# Altium PCB PreRegulator.PcbDoc (part 2 of 2)
Units mm, origin at the board's own origin, x right, y up, seen from the top; angles counter-clockwise.
Board outline 44 x 85 mm, 6 copper layers (L1, L2, L3, L4, L5, L6), stack 2.138 mm thick; 110 components, 62 nets, 301 pads, 342 vias.
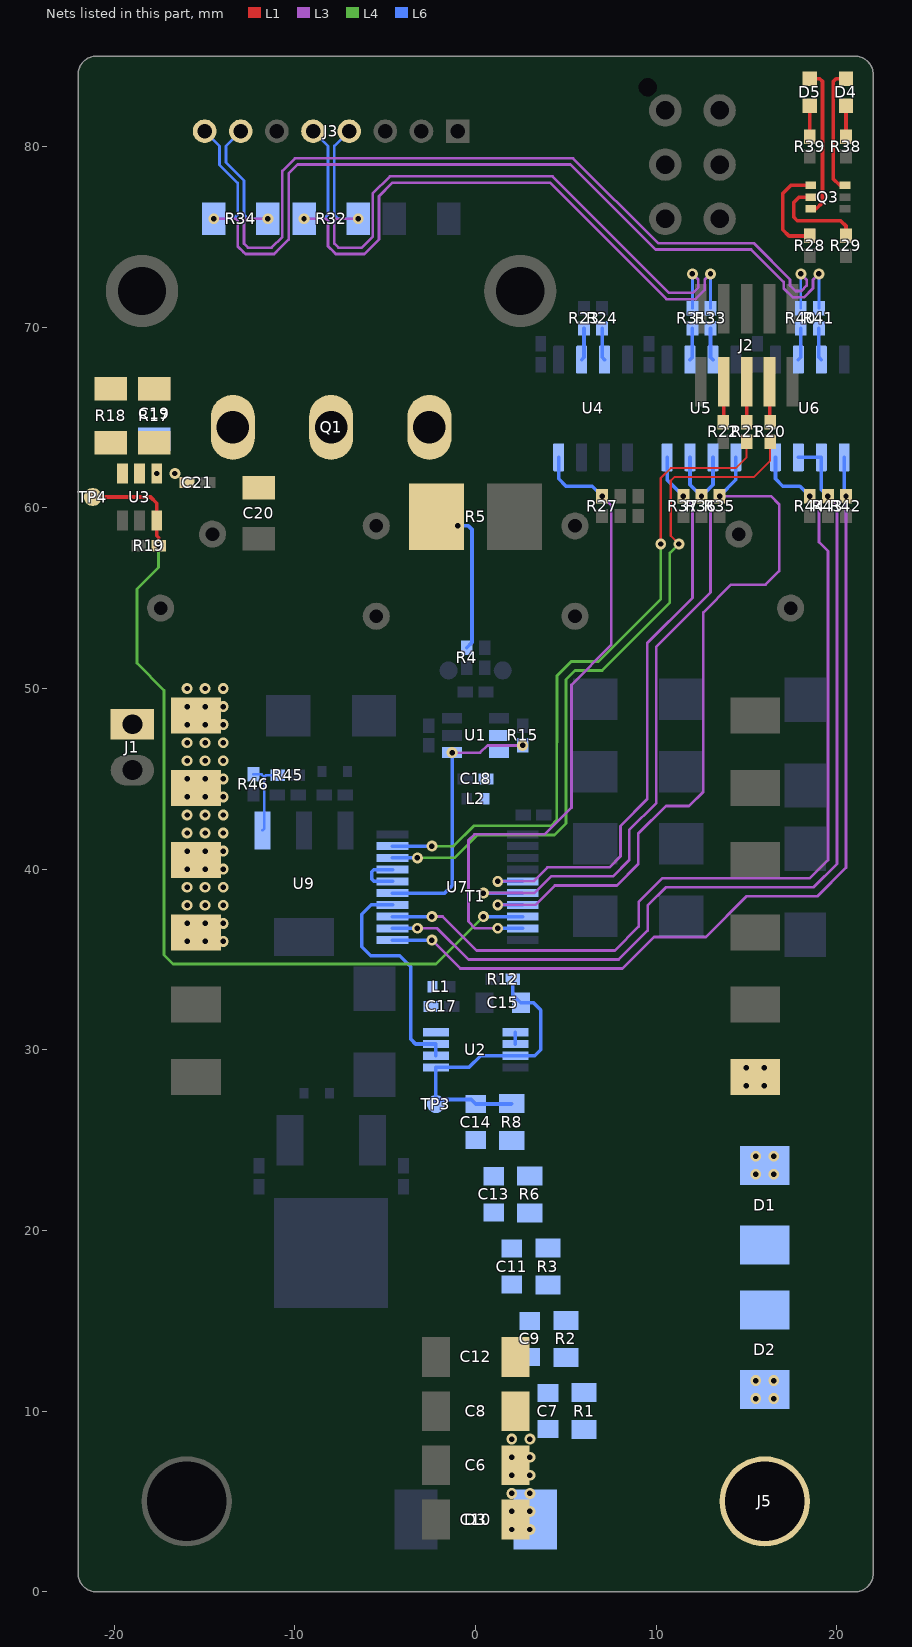
[diagram p6: the nets of this part, all layers, seen from the top]

## Via types
v1: diameter 0.6, hole 0.3, L1 to L6, tented both sides, 333 vias
v2: diameter 0.6/0.6/0/0.6/0.6/0.6 (per signal layer), hole 0.3, L1 to L6, tented both sides, 8 vias
v3: diameter 0.6/0.6/0.6/0.6/0.6/0.6 (per signal layer), hole 0.3, L1 to L6, tented both sides, 1 vias

## Nets (pads, with @x,y where several pads share a name; then routed paths per layer and width w, separated by ;. In a path a pad name is that pad's centre, name@x,y a point inside that pad or via, vN(x,y) a via of type N, cw(c..) or ccw(c..) an arc to the next point about the centre after c; other vN are vias at no path point) (continued)
D1_TX: R27.1 U4.4 U7.9 | length 36.5
  L3 w0.15: v1(1.225,36.725) -0.025,36.725 -0.4,37.1 -0.4,41.6 -0.075,41.925 3.818,41.925 5.3,43.407 5.3,50.2 7.5,52.4 7.5,60.15 v1(7,60.65)
  L6 w0.2: v1(1.225,36.725) U7.9@2.6,36.725 ; U4.4@4.595,62.8 4.595,61.605 5,61.2 6.45,61.2 v1(7,60.65)
D2_DE: R36.1 U5.2 U5.3 U7.6 | length 38.1
  L3 w0.15: v1(0.425,38.675) 3.254,38.675 4.179,39.6 7.607,39.6 8.5,40.493 8.5,42.172 10,43.672 10,52.314 13,55.314 13,60.15 v1(12.5,60.65)
  L6 w0.2: v1(0.425,38.675) U7.6@2.6,38.675 ; U5.3@11.865,62.8 11.865,61.285 v1(12.5,60.65) 13.135,61.285 U5.2@13.135,62.8
D2_N: J3.5 R32.1 R33.1 | length 39
  L3 w0.15: v1(-9.5,76) -8.275,76 -8.175,75.9 -8.175,74.48 -7.847,74.153 -7.745,74.05 -6.155,74.05 -6.053,74.153 -5.35,74.855 -5.35,77.25 -4.6,78 4.105,78 10.555,71.55 12.17,71.55 12.675,72.055 12.675,72.625 v1(13,72.95)
  L6 w0.15: v1(-9.5,76) -8.4,76 -8.175,76.225 -8.175,80.025 J3.5@-9,80.85 ; R33.1@13,71.05 v1(13,72.95)
D2_P: J3.4 R31.1 R32.2 | length 37.9
  L3 w0.15: v1(-6.5,76) -7.725,76 -7.825,75.9 -7.825,74.625 -7.6,74.4 -6.3,74.4 -5.7,75 -5.7,77.395 -4.745,78.35 4.25,78.35 10.7,71.9 12.025,71.9 12.325,72.2 12.325,72.625 v1(12,72.95)
  L6 w0.15: J3.4@-7,80.85 -7.825,80.025 -7.825,76.225 -7.6,76 v1(-6.5,76) ; R31.1@12,71.05 v1(12,72.95)
D2_RX: R35.1 U5.1 U7.7 | length 41.1
  L3 w0.15: v1(1.225,38.025) 3.311,38.025 4.386,39.1 7.814,39.1 9,40.286 9,41.964 10.536,43.5 11.814,43.5 12.6,44.286 12.6,54.207 14.143,55.75 16.043,55.75 16.8,56.507 16.8,60.2 16.35,60.65 v1(13.5,60.65)
  L6 w0.2: v1(1.225,38.025) U7.7@2.6,38.025 ; v1(13.5,60.65) 14.405,61.555 U5.1@14.405,62.8
D2_TX: R37.1 U5.4 U7.5 | length 33.1
  L3 w0.15: v1(1.225,39.325) 3.197,39.325 3.972,40.1 7.4,40.1 8.013,40.713 8.013,42.392 9.5,43.879 9.5,52.521 12,55.021 12,60.15 v1(11.5,60.65)
  L6 w0.2: v1(1.225,39.325) U7.5@2.6,39.325 ; U5.4@10.595,62.8 10.595,61.555 v1(11.5,60.65)
D3_DE: R43.1 U6.2 U6.3 U7.12 | length 52.4
  L3 w0.15: v1(-3.225,36.725) -2.125,36.725 -0.4,35 7.914,35 9.521,36.607 9.521,37.979 10.543,39 18.707,39 20,40.293 20,60.15 v1(19.5,60.65)
  L6 w0.2: U7.12@-4.6,36.725 v1(-3.225,36.725) ; U6.3@17.865,62.8 U6.2@19.135,62.8 19.135,61.015 v1(19.5,60.65)
D3_N: J3.8 R34.1 R41.1 | length 52.1
  L3 w0.15: v1(-14.5,76) -13.275,76 -13.175,75.9 -13.175,74.48 -12.847,74.153 -12.745,74.05 -11.155,74.05 -11.053,74.153 -10.35,74.855 -10.35,78.5 -9.85,79 5.255,79 9.955,74.3 15.25,74.3 17.05,72.5 17.05,72.155 17.555,71.65 18.17,71.65 18.675,72.155 18.675,72.625 v1(19,72.95)
  L6 w0.15: J3.8@-15,80.85 -14.175,80.025 -14.175,78.98 -13.175,77.98 -13.175,76.225 -13.4,76 v1(-14.5,76) ; R41.1@19,71.05 v1(19,72.95)
D3_P: J3.7 R34.2 R40.1 | length 50.9
  L3 w0.15: v1(-11.5,76) -12.725,76 -12.825,75.9 -12.825,74.625 -12.6,74.4 -11.3,74.4 -10.7,75 -10.7,78.645 -9.995,79.35 5.4,79.35 10.1,74.65 15.395,74.65 17.4,72.645 17.4,72.3 17.7,72 18.025,72 18.325,72.3 18.325,72.625 v1(18,72.95)
  L6 w0.15: J3.7@-13,80.85 -13.825,80.025 -13.825,79.125 -12.825,78.125 -12.825,76.225 -12.6,76 v1(-11.5,76) ; R40.1@18,71.05 v1(18,72.95)
D3_RX: R42.1 U6.1 U7.11 | length 50.8
  L3 w0.15: v1(-2.425,36.075) -0.85,34.5 8.121,34.5 9.871,36.25 12.75,36.25 15,38.5 18.914,38.5 20.5,40.086 v1(20.5,60.65)
  L6 w0.2: U7.11@-4.6,36.075 v1(-2.425,36.075) ; U6.1@20.405,62.8 20.405,60.745 v1(20.5,60.65)
D3_TX: R44.1 U6.4 U7.13 | length 51.8
  L3 w0.15: v1(-2.425,37.375) -1.825,37.375 0.05,35.5 7.707,35.5 9.021,36.814 9.021,38.186 10.336,39.5 18.5,39.5 19.5,40.5 19.5,57.6 19,58.1 19,60.15 v1(18.5,60.65)
  L6 w0.2: U7.13@-4.6,37.375 v1(-2.425,37.375) ; U6.4@16.595,62.8 16.595,61.605 17,61.2 17.95,61.2 v1(18.5,60.65)
DAC1: U7.16 U7.17 | length 2.8
  L6 w0.2: U7.16@-4.6,39.325 -5.625,39.325 -5.75,39.45 -5.75,39.85 -5.625,39.975 U7.17@-4.6,39.975
GATE: Q1.1 R17.2 R18.2
GDRV: R19.2 TP4.1 U3.6 U7.8 | length 51
  L1 w0.2: TP4.1@-21.2,60.6 -18,60.6 -17.65,60.25 U3.6@-17.65,59.3 -17.65,58.45 -17.55,58.35 v1(-17.55,57.9)
  L4 w0.15: v1(-17.55,57.9) -17.55,56.7 -18.75,55.5 -18.75,51.4 -17.25,49.9 -17.25,35.25 -16.75,34.75 -2.2,34.75 v1(0.425,37.375)
  L6 w0.2: v1(0.425,37.375) U7.8@2.6,37.375
HVOUT: C6.2 C7.2 C8.2 C10.2 C12.2 D2.1 D3.1 J5.0 R1.2
  other v1: 2,3.45 3,3.45 2,4.45 3,4.45 2,5.45 3,5.45 2,6.45 3,6.45 2,7.45 3,7.45 2,8.45 3,8.45 15.5,10.69 16.5,10.69 15.5,11.69 16.5,11.69
ISNS: R15.1 U1.1 U7.15 | length 14.9
  L3 w0.15: v1(-1.3,46.45) 0.25,46.45 0.65,46.85 v1(2.6,46.85)
  L6 w0.2: U7.15@-4.6,38.675 -1.725,38.675 -1.3,39.1 v1(-1.3,46.45)
NetC7_1: C7.1 C9.2 R1.1 R2.2
NetC9_1: C9.1 C11.2 R2.1 R3.2
NetC11_1: C11.1 C13.2 R3.1 R6.2
NetC13_1: C13.1 C14.2 R6.1 R8.2
NetC14_1: C14.1 C15.2 R8.1 R12.2 TP3.1 U2.3 U2.5 | length 17.6
  L6 w0.2: R8.1@2,27.025 1.975,27 C14.1@0,27 -0.25,27.25 -1.95,27.25 TP3.1@-2.2,27 U2.5@-2.2,29.025 -0.375,29.025 0.275,29.675 U2.3@2.2,29.675 3.275,29.675 3.6,30 3.6,32.2 3.2,32.6 C15.2@2.5,32.6 2.05,33.05 R12.2@2.05,33.9
NetC17_2: C17.2 L1.1 U2.8
NetC18_2: C18.2 L2.1 U1.5 U1.6
NetC19_2: C19.2 C20.2 C21.2 J1.1 U3.1
  other v1: -17.65,61.9 -16.65,61.9
NetD1_1: D1.1 D2.2
NetD1_2: D1.2 T1.7
  other v1: 15.5,23.11 16.5,23.11 15.5,24.11 16.5,24.11 14.975,28 15.975,28 14.975,29 15.975,29
NetD4_A: D4.A Q3.6 | length 7
  L1 w0.2: Q3.6@20.45,77.85 20.15,77.85 19.8,78.2 19.8,83.6 19.95,83.75 D4.A@20.5,83.75
NetD4_C: D4.C R38.2 | length 1.7
  L1 w0.2: R38.2@20.5,80.55 D4.C@20.5,82.25
NetD5_A: D5.A Q3.3 | length 8.3
  L1 w0.2: D5.A@18.5,83.75 19.05,83.75 19.2,83.6 19.2,76.9 18.85,76.55 Q3.3@18.55,76.55
NetD5_C: D5.C R39.2 | length 1.7
  L1 w0.2: R39.2@18.5,80.55 D5.C@18.5,82.25
NetJ2_4: J2.4 R20.1 | length 2.2
  L1 w0.2: J2.4@16.27,66.98 16.27,64.78 R20.1@16.3,64.75
NetJ2_6: J2.6 R21.1 | length 2.2
  L1 w0.2: R21.1@15,64.75 J2.6@15,66.98
NetJ2_8: J2.8 R22.1 | length 2.2
  L1 w0.2: R22.1@13.7,64.75 13.73,64.78 J2.8@13.73,66.98
NetQ1_2: Q1.2 T1.1 T1.2 T1.3 T1.4
  other v1: -15.975,36 -14.975,36 -13.975,36 -15.975,37 -14.975,37 -13.975,37 -15.975,38 -14.975,38 -13.975,38 -15.975,39 -14.975,39 -13.975,39 -15.975,40 -14.975,40 -13.975,40 -15.975,41 -14.975,41 -13.975,41 -15.975,42 -14.975,42 -13.975,42 -15.975,43 -14.975,43 -13.975,43 -15.975,44 -14.975,44 -13.975,44 -15.975,45 -14.975,45 -13.975,45 -15.975,46 -14.975,46 -13.975,46 -15.975,47 -14.975,47 -13.975,47 -15.975,48 -14.975,48 -13.975,48 -15.975,49 -14.975,49 -13.975,49 -15.975,50 -14.975,50 -13.975,50
NetQ1_3: Q1.3 R4.1 R5.2 | length 7.6
  L6 w0.2: v1(-1,59) -0.4,59 -0.2,58.8 -0.2,52.55 R4.1@-0.5,52.25
NetQ3_1: Q3.1 R28.1 | length 5.4
  L1 w0.2: R28.1@18.5,75.05 17.35,75.05 17,75.4 17,77.4 17.45,77.85 Q3.1@18.55,77.85
NetQ3_2: Q3.2 R29.1 | length 5.5
  L1 w0.2: Q3.2@18.55,77.2 17.9,77.2 17.6,76.9 17.6,76.1 17.8,75.9 20.2,75.9 20.5,75.6 R29.1@20.5,75.05
NetR17_1: R17.1 U3.2
NetR18_1: R18.1 U3.3
NetR23_2: R23.2 U4.6 | length 1.8
  L6 w0.2: U4.6@5.865,68.2 6,68.335 R23.2@6,69.95
NetR24_2: R24.2 U4.7 | length 1.8
  L6 w0.2: R24.2@7,69.95 7,68.335 U4.7@7.135,68.2
NetR31_2: R31.2 U5.6 | length 1.8
  L6 w0.2: U5.6@11.865,68.2 12,68.335 R31.2@12,69.95
NetR33_2: R33.2 U5.7 | length 1.8
  L6 w0.2: R33.2@13,69.95 13,68.335 U5.7@13.135,68.2
NetR40_2: R40.2 U6.6 | length 1.8
  L6 w0.2: U6.6@17.865,68.2 18,68.335 R40.2@18,69.95
NetR41_2: R41.2 U6.7 | length 1.8
  L6 w0.2: R41.2@19,69.95 19,68.335 U6.7@19.135,68.2
NetR45_1: R45.1 R46.2 U9.1 | length 4.4
  L6 w0.15: R46.2@-12.3,45.25 -11.85,45.25 -11.7,45.1 ; U9.1@-11.8,42.15 -11.7,42.25 -11.7,45.1 ; R45.1@-10.95,45.2 -11.6,45.2 -11.7,45.1
NetU2_1: U2.1 U2.2 | length 0.7
  L6 w0.2: U2.2@2.2,30.325 U2.1@2.2,30.975
PGC: R20.2 U7.18 | length 40
  L1 w0.12: v1(11.25,58) 10.8,58.45 10.8,61.5 11,61.7 15.4,61.7 16.3,62.6 R20.2@16.3,63.65
  L4 w0.15: v1(-3.225,40.625) -1.175,40.625 0.096,41.896 4.369,41.896 5,42.528 5,50.5 5.5,51 7,51 10.75,54.75 10.75,57.5 v1(11.25,58)
  L6 w0.2: U7.18@-4.6,40.625 v1(-3.225,40.625)
PGD: R21.2 U7.19 | length 38.2
  L1 w0.12: v1(10.25,58) 10.25,61.657 10.793,62.2 14.4,62.2 15,62.8 R21.2@15,63.65
  L4 w0.15: v1(-2.425,41.275) -1.232,41.275 -0.107,42.4 4.16,42.4 4.496,42.736 4.496,47.007 ; 4.5,47.007 4.5,50.707 5.293,51.5 6.793,51.5 10.25,54.957 v1(10.25,58) v1@10.25,58.213
  L6 w0.2: U7.19@-4.6,41.275 v1(-2.425,41.275)
VSNS: U2.6 U2.7 U7.14 | length 13
  L6 w0.2: U7.14@-4.6,38.025 -5.775,38.025 -6.3,37.5 -6.3,35.7 -5.8,35.2 -4.2,35.2 -3.6,34.6 -3.6,30.6 -3.325,30.325 U2.7@-2.2,30.325 U2.6@-2.2,29.675
pads on no net: J4. T1.5 T1.8

## Polygon pours and split planes (outlines as drawn)
COM on L6 "NONET_L-01_P-001" (solid, remove dead copper, pour order 63): -21.75,1 ccw(c-21,1) -21,0.25 -2.175,0.25 ccw(c-2.175,1) -1.425,1 -1.425,5.65 ccw(c-2.575,5.65) -2.575,6.8 -3.5,6.8 cw(c-3.5,9.3) -6,9.3 -6,12 cw(c-0.575,12) -5.213,14.815 ccw(c-7.35,16.112) -4.85,16.112 -4.85,19.341 cw(c-2.35,19.341) -4.062,21.162 ccw(c-4.85,22) -3.7,22 -3.7,26 3,26 ccw(c3,27.5) 4.173,26.565 9.543,33.308 cw(c11.499,31.75) 11.499,34.25 11.935,34.25 ccw(c11.935,35.25) 12.554,34.464 cw(c14.1,32.5) 14.1,35 16.85,35 cw(c16.85,32.5) 18.396,34.464 ccw(c19.015,35.25) 19.015,34.25 19.25,34.25 ccw(c19.25,36.75) 21.75,36.75 21.75,59.75 20.75,59.75 20.75,36.75 cw(c19.25,36.75) 19.25,35.25 8.875,35.25 8.875,49.521 4.375,54.021 4.375,60 21.75,60 21.75,84 ccw(c21,84) 21,84.75 -21,84.75 ccw(c-21,84) -21.75,84
+15V on L6 "NONET_L-01_P-001" (solid, remove dead copper, pour order 7): -20.2,32.15 -20.2,45.48 cw(c-19.35,45.48) -19.35,46.33 -17.95,46.33 cw(c-17.95,45.48) -17.1,45.48 -17.1,35.25 -11.15,35.25 -11.15,46.096 -11.149,46.096 -11.6,46.547 -11.6,49.65 -8.05,49.65 -8.05,32.15
NetQ1_2 on L6 "NONET_L-01_P-001" (solid, remove dead copper, pour order 62): -16.85,35.5 -16.85,51.079 -11.97,55.959 -11.97,66.255 -6.78,66.255 -6.78,50.82 -11.4,46.2 -11.4,35.5
+24V on L6 "NONET_L-01_P-001" (solid, remove dead copper, pour order 61): 9.125,49.625 4.625,54.125 4.625,59.75 20.5,59.75 20.5,36.75 cw(c19.25,36.75) 19.25,35.5 9.125,35.5
+5V0 on L6 "NONET_L-01_P-001" (solid, remove dead copper, pour order 11): 0,65.5 0,69 3.05,69 3.05,68.35 4.895,68.35 4.895,67.1 9.3,67.1 9.3,68.35 10.895,68.35 10.895,67.1 15.3,67.1 15.3,68.35 16.895,68.35 16.895,65.5
NetC19_2 on L6 "NONET_L-01_P-001" (solid, remove dead copper, pour order 51): -19.7,48.32 -19.7,60.1 -18.7,61.1 -18.7,64.45 -16.9,64.45 -16.9,62.45 -15.55,62.45 -15.55,57.45 -17.3,55.7 -17.3,48.32
COM on L3 "NONET_L-01_P-001" (solid, remove dead copper, pour order 59): -21.75,1 ccw(c-21,1) -21,0.25 -2.175,0.25 ccw(c-2.175,1) -1.425,1 -1.425,5.65 ccw(c-2.575,5.65) -2.575,6.8 -3.5,6.8 cw(c-3.5,9.3) -6,9.3 -6,12 cw(c-0.575,12) -5.213,14.815 ccw(c-7.35,16.112) -4.85,16.112 -4.85,19.341 cw(c-2.35,19.341) -4.062,21.162 ccw(c-4.85,22) -3.7,22 -3.7,24 cw(c-1.7,24) -1.7,26 3,26 ccw(c3,27.5) 4.173,26.565 9.543,33.308 cw(c11.499,31.75) 11.499,34.25 11.935,34.25 ccw(c11.935,35.25) 12.554,34.464 cw(c14.1,32.5) 14.1,35 16.85,35 cw(c16.85,32.5) 18.396,34.464 ccw(c19.015,35.25) 19.015,34.25 19.25,34.25 ccw(c19.25,36.75) 21.75,36.75 21.75,84 ccw(c21,84) 21,84.75 -21,84.75 ccw(c-21,84) -21.75,84
NetQ1_2 on L3 "NONET_L-01_P-001" (solid, remove dead copper, pour order 25): -16.85,35.5 -16.85,51.079 -11.97,55.959 -11.97,66.255 -6.78,66.255 -6.78,50.82 -11.4,46.2 -11.4,35.5
+5V0 on L3 "NONET_L-01_P-001" (solid, remove dead copper, pour order 55): -8.35,26 -8.35,29.85 -11.15,32.65 -11.15,69 2,69 2,67 0.5,65.5 -3.7,65.5 -3.7,44.78 -3.22,44.3 3.05,44.3 3.05,42.7 -3.18,42.7 -3.7,42.18 -3.7,34.3 -3.22,33.82 -1.125,33.82 -1.125,33.18 -3.22,33.18 -3.7,32.7 -3.7,26
COM on L4 "NONET_L-01_P-001" (solid, remove dead copper, pour order 60): -21.75,1 ccw(c-21,1) -21,0.25 -2.175,0.25 ccw(c-2.175,1) -1.425,1 -1.425,5.65 ccw(c-2.575,5.65) -2.575,6.8 -3.5,6.8 cw(c-3.5,9.3) -6,9.3 -6,12 cw(c-0.575,12) -5.213,14.815 ccw(c-7.35,16.112) -4.85,16.112 -4.85,19.341 cw(c-2.35,19.341) -4.062,21.162 ccw(c-4.85,22) -3.7,22 -3.7,24 cw(c-1.7,24) -1.7,26 3,26 ccw(c3,27.5) 4.173,26.565 9.543,33.308 cw(c11.499,31.75) 11.499,34.25 11.935,34.25 ccw(c11.935,35.25) 12.554,34.464 cw(c14.1,32.5) 14.1,35 16.85,35 cw(c16.85,32.5) 18.396,34.464 ccw(c19.015,35.25) 19.015,34.25 19.25,34.25 ccw(c19.25,36.75) 21.75,36.75 21.75,84 ccw(c21,84) 21,84.75 -21,84.75 ccw(c-21,84) -21.75,84
NetQ1_2 on L4 "NONET_L-01_P-001" (solid, remove dead copper, pour order 54): -16.85,35.5 -16.85,51.079 -11.97,55.959 -11.97,66.255 -6.78,66.255 -6.78,50.82 -11.4,46.2 -11.4,35.5
COM on L1 "NONET_L-01_P-001" (solid, remove dead copper, pour order 64): -21.75,1 ccw(c-21,1) -21,0.25 -2.175,0.25 ccw(c-2.175,1) -1.425,1 -1.425,14.1 ccw(c-2.575,14.1) -2.575,15.25 -3.7,15.25 cw(c-3.7,16.4) -4.85,16.4 -4.85,19.341 cw(c-2.35,19.341) -4.062,21.162 ccw(c-4.85,22) -3.7,22 -3.7,24 cw(c-1.7,24) -1.7,26 3,26 ccw(c3,27.5) 4.173,26.565 9.543,33.308 cw(c11.499,31.75) 11.499,34.25 11.935,34.25 ccw(c11.935,35.25) 12.554,34.464 cw(c14.1,32.5) 14.1,35 16.85,35 cw(c16.85,32.5) 18.396,34.464 ccw(c19.015,35.25) 19.015,34.25 19.25,34.25 ccw(c19.25,36.75) 21.75,36.75 21.75,84 ccw(c21,84) 21,84.75 -21,84.75 ccw(c-21,84) -21.75,84 -21.75,68.07 -16.47,68.07 -16.47,83.75 20.75,83.75 20.75,36.75 cw(c19.25,36.75) 19.25,35.25 11.499,35.25 ccw(c11.499,31.75) 8.761,33.931 3.391,27.188 cw(c3,27.5) 3,27 -11.35,27 cw(c-11.35,28) -12.35,28 -12.35,29.5 ccw(c-14.55,29.5) -12.75,30.765 cw(c-10.5,32.346) -13.25,32.346 -13.25,35.25 -17.1,35.25 -17.1,50.35 cw(c-16.85,50.35) -17,50.55 -17,59.796 -18.304,61.1 -21.75,61.1
+24V on L1 "NONET_L-01_P-001" (solid, remove dead copper, pour order 58): -13,32.346 -13,50.6 -16.75,50.6 -16.75,59.75 -10.85,59.75 -10.85,62 -11.5,62 -11.5,65.35 ccw(c-14.22,65.35) -14.22,68.07 -16.22,68.07 -16.22,83.5 20.5,83.5 20.5,36.75 cw(c19.25,36.75) 19.25,35.5 11.499,35.5 ccw(c11.499,31.75) 8.565,34.086 3.196,27.344 cw(c3,27.5) 3,27.25 -11.35,27.25 cw(c-11.35,28) -12.1,28 -12.1,29.5 ccw(c-14.55,29.5) -12.545,30.909 cw(c-10.5,32.346)
COM on L2 "NONET_L-01_P-001" (solid, remove dead copper, pour order 56): -21.75,1 ccw(c-21,1) -21,0.25 -2.175,0.25 ccw(c-2.175,1) -1.425,1 -1.425,5.65 ccw(c-2.575,5.65) -2.575,6.8 -3.5,6.8 cw(c-3.5,9.3) -6,9.3 -6,12 cw(c-0.575,12) -5.213,14.815 ccw(c-7.35,16.112) -4.85,16.112 -4.85,19.341 cw(c-2.35,19.341) -4.062,21.162 ccw(c-4.85,22) -3.7,22 -3.7,24 cw(c-1.7,24) -1.7,26 3,26 ccw(c3,27.5) 4.173,26.565 9.543,33.308 cw(c11.499,31.75) 11.499,34.25 11.935,34.25 ccw(c11.935,35.25) 12.554,34.464 cw(c14.1,32.5) 14.1,35 16.85,35 cw(c16.85,32.5) 18.396,34.464 ccw(c19.015,35.25) 19.015,34.25 19.25,34.25 ccw(c19.25,36.75) 21.75,36.75 21.75,84 ccw(c21,84) 21,84.75 -21,84.75 ccw(c-21,84) -21.75,84
COM on L5 "NONET_L-01_P-001" (solid, remove dead copper, pour order 53): -21.75,1 ccw(c-21,1) -21,0.25 -2.175,0.25 ccw(c-2.175,1) -1.425,1 -1.425,5.65 ccw(c-2.575,5.65) -2.575,6.8 -3.5,6.8 cw(c-3.5,9.3) -6,9.3 -6,12 cw(c-0.575,12) -5.213,14.815 ccw(c-7.35,16.112) -4.85,16.112 -4.85,19.341 cw(c-2.35,19.341) -4.062,21.162 ccw(c-4.85,22) -3.7,22 -3.7,24 cw(c-1.7,24) -1.7,26 3,26 ccw(c3,27.5) 4.173,26.565 9.543,33.308 cw(c11.499,31.75) 11.499,34.25 11.935,34.25 ccw(c11.935,35.25) 12.554,34.464 cw(c14.1,32.5) 14.1,35 16.85,35 cw(c16.85,32.5) 18.396,34.464 ccw(c19.015,35.25) 19.015,34.25 19.25,34.25 ccw(c19.25,36.75) 21.75,36.75 21.75,84 ccw(c21,84) 21,84.75 -21,84.75 ccw(c-21,84) -21.75,84

## Other copper
L1:
  rectangle net +24V: -12.1,24 -9.25,28
  region net NetQ1_2: -16.85,35.5 -13.25,35.5 -13.25,50.35 -16.85,50.35
  region net HVOUT: 1.425,1 ccw(c2.175,1) 2.175,0.25 21,0.25 ccw(c21,1) 21.75,1 21.75,11.269 ccw(c20.75,11.269) 20.75,12.27 14.628,12.27 ccw(c14.628,11.269) 13.628,11.269 13.628,9.37 cw(c11.128,9.37) 11.128,6.87 9.7,6.87 cw(c9.7,8.37) 8.245,8.006 8.155,8.364 ccw(c6.7,8) 6.7,9.5 5.525,9.5 cw(c5.525,10.5) 4.525,10.5 4.525,14.1 ccw(c2.975,14.1) 1.425,14.1
  region: 14.1,31.5 cw(c14.1,32.5) 14.1,33.5 16.85,33.5 cw(c16.85,32.5) 16.85,31.5
  region net NetD1_2: 13.1,23.531 ccw(c14.1,23.531) 14.1,22.531 17.371,22.531 ccw(c17.371,23.531) 18.371,23.531 18.371,28.5 ccw(c17.371,28.5) 17.371,29.5 14.1,29.5 ccw(c14.1,28.5) 13.1,28.5
  region net GATE: -21.1,65.95 -21.1,67.25 -14.22,67.25 cw(c-14.22,65.25) -12.22,65.25 -12.22,63.875 -14.66,63.875 -14.66,64.45 ccw(c-16.16,64.45) -16.16,65.95
  region net COM: 0.635,56.16 0.635,65.035 cw(c1.855,65.035) 1.855,66.255 2.56,66.255 cw(c2.56,65.035) 3.78,65.035 3.78,56.16 cw(c2.56,56.16) 2.56,54.94 1.855,54.94 cw(c1.855,56.16)
  region net NetQ1_3: -3.78,57.16 -3.78,65.035 cw(c-2.56,65.035) -2.56,66.255 -1.855,66.255 cw(c-1.855,65.035) -0.635,65.035 -0.635,57.16
  region net NetR17_1: -18.9,61.35 -18.9,64.25 -16.9,64.25 -16.9,62.95 -18.3,62.95 -18.3,61.35
  region net NetR18_1: -21.1,62.95 -21.1,64.25 -19.25,64.25 -19.25,61.35 -19.85,61.35 -19.85,62.95
  region net NetC19_2: -16.85,60 -17.95,61.1 -17.95,62.45 -15.55,62.45 -15.55,60.85 -14.15,60.85 -14.15,61.75 -11.1,61.75 -11.1,60
L3:
  region net HVOUT: 1.425,1 ccw(c2.175,1) 2.175,0.25 21,0.25 ccw(c21,1) 21.75,1 21.75,11.269 ccw(c20.75,11.269) 20.75,12.27 14.628,12.27 ccw(c14.628,11.269) 13.628,11.269 13.628,9.37 cw(c11.128,9.37) 11.128,6.87 9.7,6.87 cw(c9.7,8.37) 8.245,8.006 8.155,8.364 ccw(c6.7,8) 6.7,9.5 2.7,9.5 ccw(c2.7,8.225) 1.425,8.225
  region net NetD1_2: 13.1,23.531 ccw(c14.1,23.531) 14.1,22.531 17.371,22.531 ccw(c17.371,23.531) 18.371,23.531 18.371,28.5 ccw(c17.371,28.5) 17.371,29.5 14.1,29.5 ccw(c14.1,28.5) 13.1,28.5
L4:
  region net HVOUT: 1.425,1 ccw(c2.175,1) 2.175,0.25 21,0.25 ccw(c21,1) 21.75,1 21.75,11.269 ccw(c20.75,11.269) 20.75,12.27 14.628,12.27 ccw(c14.628,11.269) 13.628,11.269 13.628,9.37 cw(c11.128,9.37) 11.128,6.87 9.7,6.87 cw(c9.7,8.37) 8.245,8.006 8.155,8.364 ccw(c6.7,8) 6.7,9.5 2.7,9.5 ccw(c2.7,8.225) 1.425,8.225
  region net NetD1_2: 13.1,23.531 ccw(c14.1,23.531) 14.1,22.531 17.371,22.531 ccw(c17.371,23.531) 18.371,23.531 18.371,28.5 ccw(c17.371,28.5) 17.371,29.5 14.1,29.5 ccw(c14.1,28.5) 13.1,28.5
L2:
  region net HVOUT: 1.425,1 ccw(c2.175,1) 2.175,0.25 21,0.25 ccw(c21,1) 21.75,1 21.75,11.269 ccw(c20.75,11.269) 20.75,12.27 14.628,12.27 ccw(c14.628,11.269) 13.628,11.269 13.628,9.37 cw(c11.128,9.37) 11.128,6.87 9.7,6.87 cw(c9.7,8.37) 8.245,8.006 8.155,8.364 ccw(c6.7,8) 6.7,9.5 2.7,9.5 ccw(c2.7,8.225) 1.425,8.225
  region net NetD1_2: 13.1,23.531 13.1,28.5 cw(c14.1,28.5) 14.1,29.5 17.371,29.5 cw(c17.371,28.5) 18.371,28.5 18.371,23.531 cw(c17.371,23.531) 17.371,22.531 14.1,22.531 cw(c14.1,23.531)
L5:
  region net HVOUT: 1.425,1 ccw(c2.175,1) 2.175,0.25 21,0.25 ccw(c21,1) 21.75,1 21.75,11.269 ccw(c20.75,11.269) 20.75,12.27 14.628,12.27 ccw(c14.628,11.269) 13.628,11.269 13.628,9.37 cw(c11.128,9.37) 11.128,6.87 9.7,6.87 cw(c9.7,8.37) 8.245,8.006 8.155,8.364 ccw(c6.7,8) 6.7,9.5 2.7,9.5 ccw(c2.7,8.225) 1.425,8.225
  region net NetD1_2: 13.1,23.531 ccw(c14.1,23.531) 14.1,22.531 17.371,22.531 ccw(c17.371,23.531) 18.371,23.531 18.371,28.5 ccw(c17.371,28.5) 17.371,29.5 14.1,29.5 ccw(c14.1,28.5) 13.1,28.5
L6:
  rectangle net COM: 17.5,59.229 21.75,60.088
  rectangle net +5V0: 16.7,65.5 17.9,66.925
  rectangle net NetC18_2: 0.15,43.58 1.85,47.7
  region net HVOUT: 1.425,1 ccw(c2.175,1) 2.175,0.25 21,0.25 ccw(c21,1) 21.75,1 21.75,11.269 ccw(c20.75,11.269) 20.75,12.27 14.628,12.27 ccw(c14.628,11.269) 13.628,11.269 13.628,9.37 cw(c11.128,9.37) 11.128,6.87 9.7,6.87 cw(c9.7,8.37) 8.245,8.006 8.155,8.364 ccw(c6.7,8) 6.7,9.5 2.7,9.5 ccw(c2.7,8.225) 1.425,8.225
  region net NetC7_1: 2.425,10.5 cw(c2.425,12) 2.425,13.5 6.7,13.5 cw(c6.7,12) 6.7,10.5
  region net NetC9_1: 1.425,14.5 5.7,14.5 ccw(c5.7,16) 5.7,17.5 1.425,17.5 ccw(c1.425,16)
  region net NetC11_1: 0.425,18.5 4.7,18.5 ccw(c4.7,20) 4.7,21.5 0.425,21.5 ccw(c0.425,20)
  region net NetC13_1: -0.575,22.5 3.7,22.5 ccw(c3.7,24) 3.7,25.5 -0.575,25.5 ccw(c-0.575,24)
  region net NetD1_2: 13.1,23.531 ccw(c14.1,23.531) 14.1,22.531 17.371,22.531 ccw(c17.371,23.531) 18.371,23.531 18.371,28.5 ccw(c17.371,28.5) 17.371,29.5 14.1,29.5 ccw(c14.1,28.5) 13.1,28.5
  region net +24V: -12.3,23.15 -9.25,23.15 -9.25,27.9 -10.8,27.9 ccw(c-10.8,26.4) -12.3,26.4
  region net NetD1_1: 13.628,15.53 13.628,19.27 cw(c14.628,19.27) 14.628,20.27 17.371,20.27 cw(c17.371,19.27) 18.371,19.27 18.371,15.53 cw(c17.371,15.53) 17.371,14.53 14.628,14.53 cw(c14.628,15.53)
  pour cut-out: -1.5,51.85 -1.5,59.5 1.5,59.5 1.5,51.85
  region net +5V0: -8.35,23.15 -3.7,23.15 -3.7,29.85 -8.35,29.85
  region net +24V: -7.65,41.1 -7.65,45.7 -6.75,45.7 -6.75,41.1
  region net NetC17_2: -2.925,30.975 -2.925,33.82 -2.05,33.82 -2.05,31.85 -1.475,31.85 -1.475,30.975

## Silkscreen, mask and mechanical layers (free items; w line width, h text height)
Top Overlay:
  lines w1: -11,5 -7,5 ; 7,5 11,5 ; 9,3 9,7
  text "HIGH VOLTAGE" at -10.489,20.878 h3
  text "PRE-REGULATOR" at -11.386,18.128 h3
  text "Rev. B | Judd Foster | May 2026" at -13.663,15.85 h1.2
Bottom Overlay:
  lines w0.5: 4,79 6,79 ; 17,79 19,79 ; 18,78 18,80
Board:
  the board outline again, w0.2
OL1:
  lines w0.05: -21.75,1 ccw(c-21,1) -21,0.25 -2.175,0.25 ccw(c-2.175,1) -1.425,1 -1.425,14.1 ccw(c-2.575,14.1) -2.575,15.25 -3.7,15.25 cw(c-3.7,16.4) -4.85,16.4 -4.85,19.341 cw(c-2.35,19.341) -4.062,21.162 ccw(c-4.85,22) -3.7,22 -3.7,24 cw(c-1.7,24) -1.7,26 3,26 ccw(c3,27.5) 4.173,26.565 9.543,33.308 cw(c11.499,31.75) 11.499,34.25 11.935,34.25 ccw(c11.935,35.25) 12.554,34.464 cw(c14.1,32.5) 14.1,35 16.85,35 cw(c16.85,32.5) 18.396,34.464 ccw(c19.015,35.25) 19.015,34.25 19.25,34.25 ccw(c19.25,36.75) 21.75,36.75 21.75,84 ccw(c21,84) 21,84.75 -21,84.75 ccw(c-21,84) -21.75,84 -21.75,68.07 -16.47,68.07 -16.47,83.75 20.75,83.75 20.75,36.75 cw(c19.25,36.75) 19.25,35.25 11.499,35.25 ccw(c11.499,31.75) 8.761,33.931 3.391,27.188 cw(c3,27.5) 3,27 -11.35,27 cw(c-11.35,28) -12.35,28 -12.35,29.5 ccw(c-14.55,29.5) -12.75,30.765 cw(c-10.5,32.346) -13.25,32.346 -13.25,35.25 -17.1,35.25 -17.1,50.35 cw(c-16.85,50.35) -17,50.55 -17,59.796 -18.304,61.1 -21.75,61.1 -21.75,1 ; -21.1,62.95 -19.85,62.95 -19.85,61.35 -19.25,61.35 -19.25,64.25 -21.1,64.25 -21.1,62.95 ; -21.1,65.95 -16.16,65.95 cw(c-16.16,64.45) -14.66,64.45 -14.66,63.875 -12.22,63.875 -12.22,65.25 ccw(c-14.22,65.25) -14.22,67.25 -21.1,67.25 -21.1,65.95 ; -18.9,61.35 -18.9,64.25 -16.9,64.25 -16.9,62.95 -18.3,62.95 -18.3,61.35 -18.9,61.35 ; -17.95,61.1 -16.85,60 -11.1,60 -11.1,61.75 -14.15,61.75 -14.15,60.85 -15.55,60.85 -15.55,62.45 -17.95,62.45 -17.95,61.1 ; -16.85,35.501 -16.85,50.35 -13.25,50.35 -13.25,35.5 -16.85,35.5 ; -16.75,50.6 -13,50.6 -13,32.346 ccw(c-10.5,32.346) -12.545,30.909 cw(c-14.55,29.5) -12.1,29.5 -12.1,28 ccw(c-11.35,28) -11.35,27.25 3,27.25 ccw(c3,27.5) 3.196,27.344 8.565,34.086 cw(c11.499,31.75) 11.499,35.5 19.25,35.5 ccw(c19.25,36.75) 20.5,36.75 20.5,83.5 -16.22,83.5 -16.22,68.07 -14.22,68.07 cw(c-14.22,65.35) -11.5,65.35 -11.5,62 -10.85,62 -10.85,59.75 -16.75,59.75 -16.75,50.6 ; -3.78,57.16 -3.78,65.035 cw(c-2.56,65.035) -2.56,66.255 -1.855,66.255 cw(c-1.855,65.035) -0.635,65.035 -0.635,57.16 -3.78,57.16 ; 0.635,56.16 ccw(c1.855,56.16) 1.855,54.94 2.56,54.94 ccw(c2.56,56.16) 3.78,56.16 3.78,65.035 ccw(c2.56,65.035) 2.56,66.255 1.855,66.255 ccw(c1.855,65.035) 0.635,65.035 0.635,56.16 ; 1.425,1 ccw(c2.175,1) 2.175,0.25 21,0.25 ccw(c21,1) 21.75,1 21.75,11.269 ccw(c20.75,11.269) 20.75,12.27 14.628,12.27 ccw(c14.628,11.269) 13.628,11.269 13.628,9.37 cw(c11.128,9.37) 11.128,6.87 9.7,6.87 cw(c9.7,8.37) 8.245,8.006 8.155,8.364 ccw(c6.7,8) 6.7,9.5 5.525,9.5 cw(c5.525,10.5) 4.525,10.5 4.525,14.1 ccw(c2.975,14.1) 1.425,14.1 1.425,1 ; 13.1,23.531 ccw(c14.1,23.531) 14.1,22.531 17.371,22.531 ccw(c17.371,23.531) 18.371,23.531 18.371,28.5 ccw(c17.371,28.5) 17.371,29.5 14.1,29.5 ccw(c14.1,28.5) 13.1,28.5 13.1,23.531 ; 14.1,31.5 cw(c14.1,32.5) 14.1,33.5 16.85,33.5 cw(c16.85,32.5) 16.85,31.5 14.1,31.5
OL2:
  lines w0.05: -21.75,1 ccw(c-21,1) -21,0.25 -2.175,0.25 ccw(c-2.175,1) -1.425,1 -1.425,5.65 ccw(c-2.575,5.65) -2.575,6.8 -3.5,6.8 cw(c-3.5,9.3) -6,9.3 -6,12 cw(c-0.575,12) -5.213,14.815 ccw(c-7.35,16.112) -4.85,16.112 -4.85,19.341 cw(c-2.35,19.341) -4.062,21.162 ccw(c-4.85,22) -3.7,22 -3.7,24 cw(c-1.7,24) -1.7,26 3,26 ccw(c3,27.5) 4.173,26.565 9.543,33.308 cw(c11.499,31.75) 11.499,34.25 11.935,34.25 ccw(c11.935,35.25) 12.554,34.464 cw(c14.1,32.5) 14.1,35 16.85,35 cw(c16.85,32.5) 18.396,34.464 ccw(c19.015,35.25) 19.015,34.25 19.25,34.25 ccw(c19.25,36.75) 21.75,36.75 21.75,84 ccw(c21,84) 21,84.75 -21,84.75 ccw(c-21,84) -21.75,84 -21.75,1 ; 1.425,1 ccw(c2.175,1) 2.175,0.25 21,0.25 ccw(c21,1) 21.75,1 21.75,11.269 ccw(c20.75,11.269) 20.75,12.27 14.628,12.27 ccw(c14.628,11.269) 13.628,11.269 13.628,9.37 cw(c11.128,9.37) 11.128,6.87 9.7,6.87 cw(c9.7,8.37) 8.245,8.006 8.155,8.364 ccw(c6.7,8) 6.7,9.5 2.7,9.5 ccw(c2.7,8.225) 1.425,8.225 1.425,1 ; 13.1,23.531 ccw(c14.1,23.531) 14.1,22.531 17.371,22.531 ccw(c17.371,23.531) 18.371,23.531 18.371,28.5 ccw(c17.371,28.5) 17.371,29.5 14.1,29.5 ccw(c14.1,28.5) 13.1,28.5 13.1,23.531
OL3:
  lines w0.025: -16.85,35.5 -11.4,35.5 -11.4,46.2 -6.78,50.82 -6.78,66.255 -11.97,66.255 -11.97,55.959 -16.85,51.079 -16.85,35.5
  lines w0.05: -21.75,1 ccw(c-21,1) -21,0.25 -2.175,0.25 ccw(c-2.175,1) -1.425,1 -1.425,5.65 ccw(c-2.575,5.65) -2.575,6.8 -3.5,6.8 cw(c-3.5,9.3) -6,9.3 -6,12 cw(c-0.575,12) -5.213,14.815 ccw(c-7.35,16.112) -4.85,16.112 -4.85,19.341 cw(c-2.35,19.341) -4.062,21.162 ccw(c-4.85,22) -3.7,22 -3.7,24 cw(c-1.7,24) -1.7,26 3,26 ccw(c3,27.5) 4.173,26.565 9.543,33.308 cw(c11.499,31.75) 11.499,34.25 11.935,34.25 ccw(c11.935,35.25) 12.554,34.464 cw(c14.1,32.5) 14.1,35 16.85,35 cw(c16.85,32.5) 18.396,34.464 ccw(c19.015,35.25) 19.015,34.25 19.25,34.25 ccw(c19.25,36.75) 21.75,36.75 21.75,84 ccw(c21,84) 21,84.75 -21,84.75 ccw(c-21,84) -21.75,84 -21.75,1 ; -11.15,32.65 -11.15,69 2,69 2,67 0.5,65.5 -3.7,65.5 -3.7,44.78 -3.22,44.3 3.05,44.3 3.05,42.7 -3.18,42.7 -3.7,42.18 -3.7,34.3 -3.22,33.82 -1.125,33.82 -1.125,33.18 -3.22,33.18 -3.7,32.7 -3.7,26 -8.35,26 -8.35,29.85 -11.15,32.65 ; 1.425,1 ccw(c2.175,1) 2.175,0.25 21,0.25 ccw(c21,1) 21.75,1 21.75,11.269 ccw(c20.75,11.269) 20.75,12.27 14.628,12.27 ccw(c14.628,11.269) 13.628,11.269 13.628,9.37 cw(c11.128,9.37) 11.128,6.87 9.7,6.87 cw(c9.7,8.37) 8.245,8.006 8.155,8.364 ccw(c6.7,8) 6.7,9.5 2.7,9.5 ccw(c2.7,8.225) 1.425,8.225 1.425,1 ; 13.1,23.531 ccw(c14.1,23.531) 14.1,22.531 17.371,22.531 ccw(c17.371,23.531) 18.371,23.531 18.371,28.5 ccw(c17.371,28.5) 17.371,29.5 14.1,29.5 ccw(c14.1,28.5) 13.1,28.5 13.1,23.531
OL4:
  lines w0.025: -16.85,35.5 -16.85,51.079 -11.97,55.959 -11.97,66.255 -6.78,66.255 -6.78,50.82 -11.4,46.2 -11.4,35.5 -16.85,35.5
  lines w0.05: -21.75,1 ccw(c-21,1) -21,0.25 -2.175,0.25 ccw(c-2.175,1) -1.425,1 -1.425,5.65 ccw(c-2.575,5.65) -2.575,6.8 -3.5,6.8 cw(c-3.5,9.3) -6,9.3 -6,12 cw(c-0.575,12) -5.213,14.815 ccw(c-7.35,16.112) -4.85,16.112 -4.85,19.341 cw(c-2.35,19.341) -4.062,21.162 ccw(c-4.85,22) -3.7,22 -3.7,24 cw(c-1.7,24) -1.7,26 3,26 ccw(c3,27.5) 4.173,26.565 9.543,33.308 cw(c11.499,31.75) 11.499,34.25 11.935,34.25 ccw(c11.935,35.25) 12.554,34.464 cw(c14.1,32.5) 14.1,35 16.85,35 cw(c16.85,32.5) 18.396,34.464 ccw(c19.015,35.25) 19.015,34.25 19.25,34.25 ccw(c19.25,36.75) 21.75,36.75 21.75,84 ccw(c21,84) 21,84.75 -21,84.75 ccw(c-21,84) -21.75,84 -21.75,1 ; 1.425,1 ccw(c2.175,1) 2.175,0.25 21,0.25 ccw(c21,1) 21.75,1 21.75,11.269 ccw(c20.75,11.269) 20.75,12.27 14.628,12.27 ccw(c14.628,11.269) 13.628,11.269 13.628,9.37 cw(c11.128,9.37) 11.128,6.87 9.7,6.87 cw(c9.7,8.37) 8.245,8.006 8.155,8.364 ccw(c6.7,8) 6.7,9.5 2.7,9.5 ccw(c2.7,8.225) 1.425,8.225 1.425,1 ; 13.1,23.531 ccw(c14.1,23.531) 14.1,22.531 17.371,22.531 ccw(c17.371,23.531) 18.371,23.531 18.371,28.5 ccw(c17.371,28.5) 17.371,29.5 14.1,29.5 ccw(c14.1,28.5) 13.1,28.5 13.1,23.531
OL5:
  lines w0.05: -21.75,1 ccw(c-21,1) -21,0.25 -2.175,0.25 ccw(c-2.175,1) -1.425,1 -1.425,5.65 ccw(c-2.575,5.65) -2.575,6.8 -3.5,6.8 cw(c-3.5,9.3) -6,9.3 -6,12 cw(c-0.575,12) -5.213,14.815 ccw(c-7.35,16.112) -4.85,16.112 -4.85,19.341 cw(c-2.35,19.341) -4.062,21.162 ccw(c-4.85,22) -3.7,22 -3.7,24 cw(c-1.7,24) -1.7,26 3,26 ccw(c3,27.5) 4.173,26.565 9.543,33.308 cw(c11.499,31.75) 11.499,34.25 11.935,34.25 ccw(c11.935,35.25) 12.554,34.464 cw(c14.1,32.5) 14.1,35 16.85,35 cw(c16.85,32.5) 18.396,34.464 ccw(c19.015,35.25) 19.015,34.25 19.25,34.25 ccw(c19.25,36.75) 21.75,36.75 21.75,84 ccw(c21,84) 21,84.75 -21,84.75 ccw(c-21,84) -21.75,84 -21.75,1 ; 1.425,1 ccw(c2.175,1) 2.175,0.25 21,0.25 ccw(c21,1) 21.75,1 21.75,11.269 ccw(c20.75,11.269) 20.75,12.27 14.628,12.27 ccw(c14.628,11.269) 13.628,11.269 13.628,9.37 cw(c11.128,9.37) 11.128,6.87 9.7,6.87 cw(c9.7,8.37) 8.245,8.006 8.155,8.364 ccw(c6.7,8) 6.7,9.5 2.7,9.5 ccw(c2.7,8.225) 1.425,8.225 1.425,1 ; 13.1,23.531 ccw(c14.1,23.531) 14.1,22.531 17.371,22.531 ccw(c17.371,23.531) 18.371,23.531 18.371,28.5 ccw(c17.371,28.5) 17.371,29.5 14.1,29.5 ccw(c14.1,28.5) 13.1,28.5 13.1,23.531
OL6:
  drawing of 158 lines, arcs and shapes, not listed

## Dimensions
21,0 to 21,85 on Dimensions
22,1 to -22,1 on Dimensions

## Text inside footprints (layer, text, board x,y; h text height)
M1: Top Courtyard "Thermal Interface" at -10.879,68.05 h0.5
Q1: Top Courtyard "Thermal Interface" at -10.879,66.45 h0.5